# KiCad board PCB0240.kicad_pcb (continued)
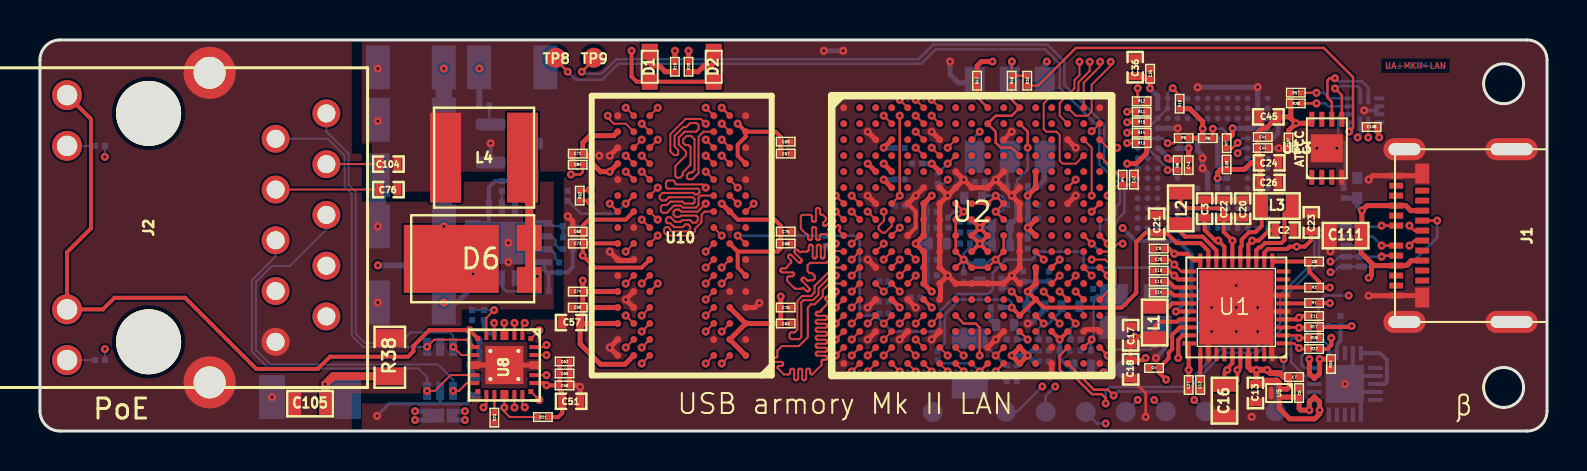
[diagram p0: board, top side]
## Routing (per net, layer and track width the routed paths; a pad name or vN(x,y) marks a point on that pad's centre or on a via; arc(x,y) is an arc through that point) (continued)
/DDR/DRAM_D0: length 28
  TOP w0.1: U2.T4 v1(42.19,3.78) ; v1(33.29,6.58) U10.E3
  SIGNAL_1 w0.1: v1(33.29,6.58) 32.85,6.58 32.18,7.25 31.92,7.25 31.87,7.2 31.87,6.99 32.45,6.41 32.7,6.41 32.9,6.21 33.46,6.21 33.83,6.58 34.5,6.58 35.12,7.21 35.12,8.66 35.68,9.22 35.68,10.15 35.74,10.21 35.89,10.21 36.65,10.97 36.65,11.28 36.72,11.35 38.86,11.35 39.03,11.18 39.03,10.65 39.67,10.02 42.35,10.02 42.75,9.62 43.22,9.62 43.62,10.02 43.77,10.02 44.25,9.54 44.25,9.35 44.63,8.97 44.63,7.54 43.39,6.3 43.39,5.94 43.24,5.79 42.87,5.79 42.59,5.51 U2.T4 v1(42.19,3.78)
/DDR/DRAM_D1: length 28
  TOP w0.1: U10.G2 v1(34.09,8.18) ; v1(44.59,2.98) U2.U6
  SIGNAL_1 w0.1: v1(44.59,2.98) 44.23,3.34 44.23,3.94 44.45,4.16 44.68,4.16 45.17,4.65 45.41,4.65 45.75,4.99 45.75,5.54 45.53,5.76 45.53,6.36 45.95,6.78 45.95,8.01 45.43,8.53 45.43,9.35 45.21,9.57 45.21,9.72 43.95,10.99 42.77,10.99 42.37,11.39 41.26,11.39 41.04,11.61 41.04,11.88 40.77,12.15 35.95,12.15 35.29,11.49 35.29,11.21 35.09,11.01 32.55,11.01 32.39,10.85 32.39,10.41 32.52,10.28 33.29,10.28 33.6,9.97 33.6,9.59 34.09,9.1 v1(34.09,8.18)
/DDR/DRAM_D2: length 28
  TOP w0.1: U10.F8 v1(29.29,7.38) ; v1(43.79,4.58) U2.T6
  SIGNAL_1 w0.1: v1(29.29,7.38) 28.23,7.38 28.07,7.22 28.07,6.56 27.69,6.18 27.69,3.6 28.17,3.12 28.55,3.12 30.23,1.44 32.77,1.44 33.42,0.79 43.7,0.79 44.19,1.28 44.19,3.08 43.87,3.4 43.66,3.4 43.37,3.68 43.37,3.99 43.79,4.41 v1(43.79,4.58)
/DDR/DRAM_D3: length 28
  TOP w0.1: v1(45.39,2.98) U2.U7 ; U10.H3 v1(33.29,8.98)
  SIGNAL_1 w0.1: v1(33.29,8.98) 33.29,9.98 33.19,10.08 32.05,10.08 31.95,10.18 31.95,11.01 32.76,11.82 33.46,11.82 33.92,12.28 34.27,12.28 34.75,11.8 35.02,11.8 35.57,12.35 41.55,12.35 42.03,11.87 42.36,11.87 42.85,11.38 43.84,11.38 45.67,9.55 45.67,8.59 46.34,7.92 46.34,6.86 45.8,6.32 45.8,5.9 45.95,5.75 45.95,4.88 45.43,4.36 45.31,4.36 44.97,4.02 44.97,3.4 v1(45.39,2.98)
/DDR/DRAM_D4: length 28.2
  TOP w0.1: v1(46.19,2.98) U2.U8 ; U10.H8 v1(29.29,8.98)
  SIGNAL_1 w0.1: v1(29.29,8.98) 29.29,8.72 27.87,7.3 27.87,6.65 27.49,6.27 27.49,3.52 28.09,2.92 28.47,2.92 30.15,1.24 32.68,1.24 33.33,0.59 43.8,0.59 v1(46.19,2.98)
/DDR/DRAM_D5: length 27.9
  TOP w0.1: U2.T8 v1(46.19,3.78) ; U10.H7 v1(30.89,9.78)
  SIGNAL_1 w0.1: v1(46.19,3.78) 46.37,3.96 46.37,5.56 46.75,5.94 46.75,9.1 44.99,10.86 44.99,11.98 43.99,12.98 40.66,12.98 40.26,13.38 32,13.38 31.31,12.69 31.31,10.47 30.89,10.05 v1(30.89,9.78)
/DDR/DRAM_D6: length 28
  TOP w0.1: v1(43.79,3.78) U2.T5 ; U10.F2 v1(34.09,7.38)
  SIGNAL_1 w0.1: v1(34.09,7.38) 34.48,7.77 34.48,9.99 34.33,10.14 33.72,10.14 33.38,10.48 32.66,10.48 32.59,10.55 32.59,10.73 32.67,10.81 35.64,10.81 36.05,11.22 36.05,11.81 36.19,11.95 39.11,11.95 39.67,11.39 40.01,11.39 40.19,11.21 40.19,10.86 40.43,10.62 42.59,10.62 42.76,10.79 43.86,10.79 44.87,9.78 44.87,9.64 45.01,9.5 45.01,9.45 45.23,9.23 45.23,8.45 45.75,7.93 45.75,6.86 45.28,6.38 45.28,5.78 44.99,5.5 44.99,5.18 44.8,4.98 44.39,4.98 44.19,4.79 44.19,4.31 44.04,4.16 44.04,4.03 v1(43.79,3.78)
/DDR/DRAM_D7: length 28
  TOP w0.1: v1(42.99,2.98) U2.U4 ; U10.F7 v1(30.09,7.38)
  SIGNAL_1 w0.1: v1(42.99,2.98) 42.99,1.92 42.07,0.99 33.5,0.99 32.85,1.64 30.31,1.64 28.56,3.4 28.54,3.41 28.53,3.43 28.53,3.46 28.53,3.48 28.53,3.5 28.54,3.52 28.56,3.54 28.58,3.56 28.6,3.58 28.61,3.6 28.61,3.62 28.61,3.65 28.61,3.67 28.6,3.69 28.58,3.71 28.57,3.72 28.55,3.73 28.53,3.73 28.5,3.73 28.48,3.73 28.46,3.72 28.44,3.71 28.25,3.51 28.23,3.5 28.21,3.49 28.19,3.48 28.17,3.48 28.14,3.49 28.12,3.5 28.11,3.51 28.09,3.53 28.08,3.55 28.08,3.57 28.08,3.59 28.08,3.61 28.09,3.63 28.11,3.65 28.13,3.68 28.15,3.7 28.16,3.72 28.16,3.74 28.16,3.76 28.16,3.78 28.15,3.8 28.13,3.82 28.13,4.23 28.13,4.25 28.12,4.27 28.11,4.29 28.1,4.31 28.08,4.32 28.06,4.33 28.03,4.33 28,4.33 27.97,4.33 27.95,4.34 27.93,4.35 27.92,4.37 27.91,4.39 27.9,4.41 27.9,4.43 27.9,4.45 27.91,4.47 27.92,4.49 27.93,4.51 27.95,4.52 27.97,4.53 28,4.53 28.27,4.53 28.29,4.53 28.31,4.54 28.33,4.55 28.35,4.57 28.36,4.59 28.37,4.61 28.37,4.63 28.37,4.65 28.36,4.67 28.35,4.69 28.33,4.71 28.31,4.72 28.29,4.73 28.27,4.73 28,4.73 27.97,4.73 27.95,4.74 27.93,4.75 27.92,4.77 27.91,4.79 27.9,4.81 27.9,4.83 27.9,4.85 27.91,4.87 27.92,4.89 27.93,4.91 27.95,4.92 27.97,4.93 28,4.93 28.27,4.93 28.29,4.93 28.31,4.94 28.33,4.95 28.35,4.97 28.36,4.99 28.37,5.01 28.37,5.03 28.37,5.05 28.36,5.07 28.35,5.09 28.33,5.11 28.31,5.12 28.29,5.13 28.27,5.13 28,5.13 27.97,5.13 27.95,5.14 27.93,5.15 27.92,5.17 27.91,5.19 27.9,5.21 27.9,5.23 27.9,5.25 27.91,5.27 27.92,5.29 27.93,5.31 27.95,5.32 27.97,5.33 28,5.33 28.27,5.33 28.29,5.33 28.31,5.34 28.33,5.35 28.35,5.37 28.36,5.39 28.37,5.41 28.37,5.43 28.37,5.45 28.36,5.47 28.35,5.49 28.33,5.51 28.31,5.52 28.29,5.53 28.27,5.53 28,5.53 27.97,5.53 27.95,5.54 27.93,5.55 27.92,5.57 27.91,5.59 27.9,5.61 27.9,5.63 27.9,5.65 27.91,5.67 27.92,5.69 27.93,5.71 27.95,5.72 27.97,5.73 28,5.73 28.03,5.73 28.06,5.73 28.08,5.74 28.1,5.75 28.11,5.77 28.12,5.79 28.13,5.81 28.13,5.83 28.13,5.93 28.29,6.09 28.31,6.11 28.32,6.13 28.32,6.15 28.32,6.17 28.32,6.2 28.31,6.22 28.29,6.23 28.27,6.26 28.25,6.28 28.24,6.3 28.24,6.32 28.24,6.34 28.24,6.36 28.25,6.38 28.27,6.4 28.29,6.42 28.31,6.42 28.33,6.43 28.35,6.43 28.37,6.42 28.39,6.42 28.41,6.4 28.6,6.21 28.62,6.19 28.64,6.18 28.66,6.18 28.69,6.18 28.71,6.18 28.73,6.19 28.75,6.21 28.76,6.22 28.77,6.24 28.77,6.27 28.77,6.29 28.77,6.31 28.76,6.33 28.75,6.35 28.55,6.54 28.54,6.56 28.53,6.58 28.52,6.6 28.52,6.62 28.53,6.65 28.54,6.67 28.55,6.68 28.57,6.7 28.59,6.71 28.61,6.71 28.63,6.71 28.65,6.71 28.67,6.7 28.69,6.68 28.72,6.66 28.74,6.64 28.76,6.63 28.78,6.63 28.8,6.63 28.82,6.63 28.84,6.64 28.86,6.66 28.87,6.67 28.88,6.69 28.89,6.72 28.89,6.74 28.88,6.76 28.87,6.78 28.86,6.8 28.83,6.83 28.82,6.84 28.81,6.86 28.81,6.89 28.81,6.91 28.81,6.93 28.82,6.95 28.83,6.97 28.85,6.98 28.87,6.99 28.89,7 28.92,7 28.94,6.99 28.96,6.98 28.98,6.97 29,6.94 29.02,6.93 29.04,6.92 29.06,6.91 29.08,6.91 29.11,6.92 29.13,6.93 29.14,6.94 29.65,6.94 v1(30.09,7.38)
/DDR/DRAM_D8: length 28
  TOP w0.1: U10.D7 v1(30.09,5.78) ; v1(40.59,2.98) U2.U2
  SIGNAL_1 w0.1: v1(40.59,2.98) 39.75,2.98 39.03,3.7 39.03,4.12 38.76,4.39 38.34,4.39 38.06,4.11 36.25,4.11 36.12,3.98 33.02,3.98 32.78,3.74 29.95,3.74 29.68,4.01 29.68,4.4 29.36,4.72 29.35,4.74 29.34,4.76 29.33,4.78 29.33,4.8 29.34,4.83 29.35,4.85 29.36,4.86 29.39,4.89 29.4,4.91 29.41,4.93 29.42,4.95 29.42,4.97 29.41,5 29.4,5.02 29.39,5.03 29.37,5.05 29.35,5.06 29.33,5.06 29.31,5.06 29.28,5.06 29.26,5.05 29.25,5.03 29.05,4.84 29.03,4.82 29.01,4.81 28.99,4.81 28.97,4.81 28.95,4.81 28.93,4.82 28.91,4.84 28.9,4.85 28.89,4.87 28.88,4.9 28.88,4.92 28.89,4.94 28.9,4.96 28.91,4.98 29.1,5.17 29.12,5.19 29.13,5.21 29.13,5.23 29.13,5.26 29.13,5.28 29.12,5.3 29.1,5.32 29.09,5.33 29.07,5.34 29.05,5.34 29.02,5.34 29,5.34 28.98,5.33 28.96,5.32 28.77,5.12 28.75,5.11 28.73,5.1 28.71,5.09 28.69,5.09 28.66,5.1 28.64,5.11 28.63,5.12 28.61,5.14 28.6,5.16 28.6,5.18 28.6,5.2 28.6,5.22 28.61,5.24 28.63,5.26 28.65,5.29 28.67,5.31 28.68,5.33 28.68,5.35 28.68,5.37 28.68,5.39 28.67,5.41 28.65,5.43 28.65,5.74 29.09,6.18 29.4,6.18 29.49,6.27 29.51,6.28 29.53,6.29 29.55,6.3 29.58,6.3 29.6,6.29 29.62,6.28 29.63,6.27 29.66,6.24 29.68,6.23 29.7,6.22 29.72,6.21 29.74,6.21 29.77,6.22 29.79,6.23 29.8,6.24 29.82,6.26 29.83,6.28 29.83,6.3 29.83,6.32 29.83,6.35 29.82,6.37 29.8,6.38 29.67,6.52 29.66,6.53 29.66,6.54 29.66,6.55 29.66,6.56 29.66,6.57 29.66,6.58 29.67,6.59 29.74,6.66 29.75,6.67 29.76,6.67 29.77,6.67 29.78,6.67 29.79,6.67 29.8,6.67 29.82,6.65 29.83,6.65 29.84,6.64 29.85,6.64 29.86,6.65 29.87,6.65 29.88,6.66 30.02,6.8 30.17,6.8 30.2,6.8 30.22,6.79 30.24,6.78 30.25,6.76 30.26,6.74 30.27,6.72 30.27,6.7 30.27,6.66 30.28,6.64 30.28,6.62 30.3,6.6 30.31,6.58 30.33,6.57 30.35,6.56 30.37,6.56 30.4,6.56 30.42,6.57 30.44,6.58 30.45,6.6 30.46,6.62 30.47,6.64 30.47,6.66 30.47,6.94 30.48,6.96 30.48,6.98 30.5,7 30.51,7.02 30.53,7.03 30.55,7.04 30.57,7.04 30.6,7.04 30.62,7.03 30.64,7.02 30.65,7 30.66,6.98 30.67,6.96 30.67,6.94 30.67,6.66 30.68,6.64 30.68,6.62 30.7,6.6 30.71,6.58 30.73,6.57 30.75,6.56 30.77,6.56 30.8,6.56 30.82,6.57 30.84,6.58 30.85,6.6 30.86,6.62 30.87,6.64 30.87,6.66 30.87,6.8 30.88,6.8 30.88,6.89 30.88,6.92 30.89,6.94 30.9,6.95 30.91,6.97 30.93,6.98 30.95,6.99 30.97,6.99 30.99,6.99 31.01,6.99 31.03,6.98 31.04,6.97 31.06,6.95 31.07,6.94 31.08,6.92 31.08,6.87 31.09,6.85 31.1,6.84 31.11,6.82 31.13,6.81 31.15,6.8 31.17,6.8 31.37,6.8 31.47,6.71 31.49,6.69 31.51,6.68 31.53,6.68 31.55,6.68 31.57,6.68 31.59,6.69 31.61,6.71 31.64,6.73 31.65,6.75 31.67,6.76 31.7,6.76 31.72,6.76 31.74,6.76 31.76,6.75 31.78,6.73 31.79,6.72 31.8,6.7 31.81,6.67 31.81,6.65 31.8,6.63 31.79,6.61 31.78,6.59 31.58,6.4 31.57,6.38 31.56,6.36 31.55,6.34 31.55,6.31 31.56,6.29 31.57,6.27 31.58,6.25 31.6,6.24 31.62,6.23 31.64,6.23 31.66,6.23 31.69,6.23 31.71,6.24 31.72,6.25 31.92,6.45 31.94,6.46 31.96,6.47 31.98,6.48 32,6.48 32.02,6.47 32.04,6.46 32.06,6.45 32.07,6.43 32.08,6.41 32.09,6.39 32.09,6.37 32.08,6.35 32.07,6.33 32.06,6.31 32.03,6.28 32.02,6.26 32.01,6.24 32,6.22 32,6.2 32.01,6.18 32.02,6.16 32.03,6.14 32.25,6.14 32.39,6 32.39,5.72 32.25,5.58 31.91,5.58 31.42,6.07 31.32,6.07 31.3,6.07 31.28,6.08 31.26,6.09 31.25,6.11 31.23,6.13 31.23,6.15 31.22,6.17 31.22,6.21 31.22,6.23 31.21,6.25 31.2,6.27 31.19,6.29 31.17,6.3 31.15,6.31 31.12,6.31 31.1,6.31 31.08,6.3 31.06,6.29 31.05,6.27 31.03,6.25 31.03,6.23 31.02,6.21 31.02,5.93 31.02,5.91 31.01,5.89 31,5.87 30.99,5.85 30.97,5.84 30.95,5.83 30.92,5.83 30.9,5.83 30.88,5.84 30.86,5.85 30.85,5.87 30.83,5.89 30.83,5.91 30.82,5.93 30.82,5.97 30.82,5.99 30.81,6.01 30.8,6.03 30.79,6.05 30.77,6.06 30.75,6.07 30.72,6.07 30.38,6.07 v1(30.09,5.78)
/DDR/DRAM_D9: length 27.9
  TOP w0.1: U10.A7 v1(30.09,3.38) ; v1(41.39,2.98) U2.U3
  SIGNAL_1 w0.1: v1(41.39,2.98) 41.21,3.16 41.1,3.16 40.95,3.01 40.95,2.84 40.73,2.62 39.43,2.62 39.05,3 39.03,3.02 39.01,3.03 38.99,3.03 38.97,3.03 38.95,3.03 38.93,3.02 38.91,3 38.84,2.94 38.82,2.92 38.8,2.91 38.78,2.91 38.76,2.91 38.74,2.91 38.72,2.92 38.7,2.94 38.68,2.95 38.67,2.97 38.67,3 38.67,3.02 38.67,3.04 38.68,3.06 38.7,3.08 38.94,3.32 38.95,3.34 38.96,3.36 38.97,3.38 38.97,3.4 38.96,3.42 38.95,3.44 38.94,3.46 38.92,3.48 38.9,3.49 38.88,3.49 38.86,3.49 38.84,3.49 38.82,3.48 38.8,3.46 38.56,3.22 38.54,3.2 38.52,3.2 38.5,3.19 38.47,3.19 38.45,3.2 38.43,3.2 38.42,3.22 38.4,3.24 38.39,3.26 38.39,3.28 38.39,3.3 38.39,3.32 38.4,3.34 38.42,3.36 38.48,3.43 38.5,3.45 38.51,3.47 38.51,3.49 38.51,3.51 38.51,3.53 38.5,3.55 38.48,3.57 38.28,3.57 38.26,3.57 38.24,3.56 38.22,3.55 38.21,3.53 38.19,3.51 38.19,3.49 38.18,3.47 38.18,3.37 38.18,3.35 38.17,3.33 38.16,3.31 38.15,3.3 38.13,3.28 38.11,3.28 38.08,3.27 38.06,3.28 38.04,3.28 38.02,3.3 38.01,3.31 37.99,3.33 37.99,3.35 37.98,3.37 37.98,3.77 37.98,3.79 37.97,3.81 37.96,3.83 37.95,3.84 37.93,3.86 37.91,3.86 37.88,3.87 37.86,3.86 37.84,3.86 37.82,3.84 37.81,3.83 37.79,3.81 37.79,3.79 37.78,3.77 37.78,3.37 37.78,3.35 37.77,3.33 37.76,3.31 37.75,3.3 37.73,3.28 37.71,3.28 37.68,3.27 37.66,3.28 37.64,3.28 37.62,3.3 37.61,3.31 37.59,3.33 37.59,3.35 37.58,3.37 37.58,3.47 37.58,3.49 37.57,3.51 37.56,3.53 37.55,3.55 37.53,3.56 37.51,3.57 37.48,3.57 37.36,3.45 37.17,3.45 37.15,3.45 37.13,3.46 37.11,3.47 37.1,3.49 37.08,3.51 37.08,3.53 37.07,3.55 37.07,3.65 37.07,3.67 37.06,3.69 37.05,3.71 37.04,3.72 37.02,3.74 37,3.74 36.97,3.75 36.95,3.74 36.93,3.74 36.91,3.72 36.9,3.71 36.88,3.69 36.88,3.67 36.87,3.65 36.87,3.25 36.87,3.23 36.86,3.21 36.85,3.19 36.84,3.18 36.82,3.16 36.8,3.16 36.77,3.15 36.75,3.16 36.73,3.16 36.71,3.18 36.7,3.19 36.68,3.21 36.68,3.23 36.67,3.25 36.67,3.65 36.67,3.67 36.66,3.69 36.65,3.71 36.64,3.72 36.62,3.74 36.6,3.74 36.57,3.75 36.55,3.74 36.53,3.74 36.51,3.72 36.5,3.71 36.48,3.69 36.48,3.67 36.47,3.65 36.47,3.25 36.47,3.23 36.46,3.21 36.45,3.19 36.44,3.18 36.42,3.16 36.4,3.16 36.37,3.15 36.35,3.16 36.33,3.16 36.31,3.18 36.3,3.19 36.28,3.21 36.28,3.23 36.27,3.25 36.27,3.65 36.27,3.67 36.26,3.69 36.25,3.71 36.24,3.72 36.22,3.74 36.2,3.74 36.17,3.75 36.15,3.74 36.13,3.74 36.11,3.72 36.1,3.71 36.08,3.69 36.08,3.67 36.07,3.65 36.07,3.25 36.07,3.23 36.06,3.21 36.05,3.19 36.04,3.18 36.02,3.16 36,3.16 35.97,3.15 35.95,3.16 35.93,3.16 35.91,3.18 35.9,3.19 35.88,3.21 35.88,3.23 35.87,3.25 35.87,3.65 35.87,3.67 35.86,3.69 35.85,3.71 35.84,3.72 35.82,3.74 35.8,3.74 35.77,3.75 35.75,3.74 35.73,3.74 35.71,3.72 35.7,3.71 35.68,3.69 35.68,3.67 35.67,3.65 35.67,3.25 35.67,3.23 35.66,3.21 35.65,3.19 35.64,3.18 35.62,3.16 35.6,3.16 35.57,3.15 35.55,3.16 35.53,3.16 35.51,3.18 35.5,3.19 35.48,3.21 35.48,3.23 35.47,3.25 35.47,3.65 35.47,3.67 35.46,3.69 35.45,3.71 35.44,3.72 35.42,3.74 35.4,3.74 35.37,3.75 35.35,3.74 35.33,3.74 35.31,3.72 35.3,3.71 35.28,3.69 35.28,3.67 35.27,3.65 35.27,3.25 35.27,3.23 35.26,3.21 35.25,3.19 35.24,3.18 35.22,3.16 35.2,3.16 35.17,3.15 35.15,3.16 35.13,3.16 35.11,3.18 35.1,3.19 35.08,3.21 35.08,3.23 35.07,3.25 35.07,3.65 35.07,3.67 35.06,3.69 35.05,3.71 35.04,3.72 35.02,3.74 35,3.74 34.97,3.75 34.95,3.74 34.93,3.74 34.91,3.72 34.9,3.71 34.88,3.69 34.88,3.67 34.87,3.65 34.87,3.25 34.87,3.23 34.86,3.21 34.85,3.19 34.84,3.18 34.82,3.16 34.8,3.16 34.77,3.15 34.75,3.16 34.73,3.16 34.71,3.18 34.7,3.19 34.68,3.21 34.68,3.23 34.67,3.25 34.67,3.34 34.27,3.74 33.88,3.74 33.86,3.74 33.84,3.73 33.82,3.72 33.8,3.7 33.79,3.68 33.78,3.66 33.78,3.62 33.77,3.6 33.76,3.58 33.74,3.56 33.73,3.55 33.71,3.55 33.68,3.54 33.66,3.55 33.64,3.55 33.62,3.56 33.6,3.58 33.59,3.6 33.58,3.62 33.58,3.66 33.57,3.68 33.56,3.7 33.54,3.72 33.53,3.73 33.51,3.74 33.48,3.74 33.14,3.74 32.93,3.53 32.93,3.23 32.83,3.13 32.62,3.13 32.6,3.13 32.58,3.14 32.56,3.15 32.55,3.17 32.53,3.19 32.53,3.21 32.52,3.23 32.52,3.33 32.52,3.35 32.51,3.37 32.5,3.39 32.49,3.4 32.47,3.42 32.45,3.42 32.42,3.43 32.4,3.42 32.38,3.42 32.36,3.4 32.35,3.39 32.33,3.37 32.33,3.35 32.32,3.33 32.32,2.93 32.32,2.91 32.31,2.89 32.3,2.87 32.29,2.86 32.27,2.84 32.25,2.84 32.22,2.83 32.2,2.84 32.18,2.84 32.16,2.86 32.15,2.87 32.13,2.89 32.13,2.91 32.12,2.93 32.12,3.33 32.12,3.35 32.11,3.37 32.1,3.39 32.09,3.4 32.07,3.42 32.05,3.42 32.02,3.43 32,3.42 31.98,3.42 31.96,3.4 31.95,3.39 31.93,3.37 31.93,3.35 31.92,3.33 31.92,2.93 31.92,2.91 31.91,2.89 31.9,2.87 31.89,2.86 31.87,2.84 31.85,2.84 31.82,2.83 31.8,2.84 31.78,2.84 31.76,2.86 31.75,2.87 31.73,2.89 31.73,2.91 31.72,2.93 31.72,3.33 31.72,3.35 31.71,3.37 31.7,3.39 31.69,3.4 31.67,3.42 31.65,3.42 31.62,3.43 31.6,3.42 31.58,3.42 31.56,3.4 31.55,3.39 31.53,3.37 31.53,3.35 31.52,3.33 31.52,2.93 31.52,2.91 31.51,2.89 31.5,2.87 31.49,2.86 31.47,2.84 31.45,2.84 31.42,2.83 31.4,2.84 31.38,2.84 31.36,2.86 31.35,2.87 31.33,2.89 31.33,2.91 31.32,2.93 31.32,3.33 31.32,3.35 31.31,3.37 31.3,3.39 31.29,3.4 31.27,3.42 31.25,3.42 31.22,3.43 31.2,3.42 31.18,3.42 31.16,3.4 31.15,3.39 31.13,3.37 31.13,3.35 31.12,3.33 31.12,2.93 31.12,2.91 31.11,2.89 31.1,2.87 31.09,2.86 31.07,2.84 31.05,2.84 31.02,2.83 31,2.84 30.98,2.84 30.96,2.86 30.95,2.87 30.93,2.89 30.93,2.91 30.92,2.93 30.92,3.33 30.92,3.35 30.91,3.37 30.9,3.39 30.89,3.4 30.87,3.42 30.85,3.42 30.82,3.43 30.8,3.42 30.78,3.42 30.76,3.4 30.75,3.39 30.73,3.37 30.73,3.35 30.72,3.33 30.72,2.93 30.72,2.91 30.71,2.89 30.7,2.87 30.69,2.86 30.67,2.84 30.65,2.84 30.62,2.83 30.6,2.84 30.58,2.84 30.56,2.86 30.55,2.87 30.53,2.89 30.53,2.91 30.52,2.93 30.52,3.03 30.52,3.05 30.51,3.07 30.5,3.09 30.49,3.11 30.47,3.12 30.45,3.13 30.42,3.13 30.34,3.13 v1(30.09,3.38)
/DDR/DRAM_D10: length 27.9
  TOP w0.1: U10.B8 v1(29.29,4.18) ; U2.U5 v1(43.79,2.98)
  SIGNAL_1 w0.1: v1(29.29,4.18) 29.29,3.53 29.31,3.51 29.32,3.49 29.32,3.47 29.32,3.45 29.32,3.43 29.31,3.41 29.29,3.39 29.15,3.25 29.14,3.23 29.13,3.21 29.12,3.19 29.12,3.17 29.13,3.14 29.14,3.12 29.15,3.11 29.17,3.09 29.19,3.08 29.21,3.08 29.23,3.08 29.26,3.08 29.28,3.09 29.29,3.11 29.56,3.37 29.57,3.38 29.59,3.39 29.6,3.39 29.62,3.39 29.64,3.39 29.65,3.38 29.66,3.37 29.7,3.34 29.71,3.32 29.72,3.31 29.72,3.29 29.72,3.27 29.72,3.26 29.71,3.24 29.7,3.23 29.43,2.96 29.42,2.95 29.41,2.93 29.41,2.9 29.41,2.88 29.41,2.86 29.42,2.84 29.43,2.82 29.45,2.81 29.47,2.8 29.49,2.79 29.52,2.79 29.54,2.8 29.56,2.81 29.58,2.82 29.82,3.07 29.83,3.08 29.84,3.08 29.85,3.08 29.86,3.08 29.88,3.08 29.89,3.08 29.89,3.07 29.97,3 29.97,2.99 29.98,2.98 29.98,2.97 29.98,2.96 29.98,2.95 29.97,2.94 29.97,2.93 29.72,2.68 29.7,2.66 29.69,2.64 29.69,2.62 29.69,2.6 29.69,2.58 29.7,2.56 29.72,2.54 29.74,2.53 29.76,2.52 29.78,2.51 29.8,2.51 29.82,2.52 29.84,2.53 29.86,2.54 30.18,2.86 30.19,2.87 30.22,2.88 30.24,2.89 30.26,2.89 30.28,2.88 30.3,2.87 30.32,2.86 30.33,2.84 30.34,2.82 30.35,2.8 30.35,2.78 30.34,2.75 30.33,2.73 30.32,2.72 30.28,2.68 30.27,2.66 30.26,2.64 30.25,2.62 30.25,2.6 30.26,2.58 30.27,2.56 30.28,2.54 30.45,2.37 30.48,2.37 30.5,2.36 30.52,2.35 30.53,2.33 30.54,2.31 30.55,2.29 30.55,2.27 30.55,2.07 30.56,2.05 30.56,2.03 30.58,2.01 30.59,1.99 30.61,1.98 30.63,1.97 30.65,1.97 30.68,1.97 30.7,1.98 30.72,1.99 30.73,2.01 30.74,2.03 30.75,2.05 30.75,2.07 30.75,2.57 30.76,2.59 30.76,2.61 30.78,2.63 30.79,2.65 30.81,2.66 30.83,2.67 30.85,2.67 30.88,2.67 30.9,2.66 30.92,2.65 30.93,2.63 30.94,2.61 30.95,2.59 30.95,2.57 30.95,2.07 30.96,2.05 30.96,2.03 30.98,2.01 30.99,1.99 31.01,1.98 31.03,1.97 31.05,1.97 31.08,1.97 31.1,1.98 31.12,1.99 31.13,2.01 31.14,2.03 31.15,2.05 31.15,2.07 31.15,2.57 31.16,2.59 31.16,2.61 31.18,2.63 31.19,2.65 31.21,2.66 31.23,2.67 31.25,2.67 31.28,2.67 31.3,2.66 31.32,2.65 31.33,2.63 31.34,2.61 31.35,2.59 31.35,2.57 31.35,2.07 31.36,2.05 31.36,2.03 31.38,2.01 31.39,1.99 31.41,1.98 31.43,1.97 31.45,1.97 31.48,1.97 31.5,1.98 31.52,1.99 31.53,2.01 31.54,2.03 31.55,2.05 31.55,2.07 31.55,2.57 31.56,2.59 31.56,2.61 31.58,2.63 31.59,2.65 31.61,2.66 31.63,2.67 31.65,2.67 31.68,2.67 31.7,2.66 31.72,2.65 31.73,2.63 31.74,2.61 31.75,2.59 31.75,2.57 31.75,2.07 31.76,2.05 31.76,2.03 31.78,2.01 31.79,1.99 31.81,1.98 31.83,1.97 31.85,1.97 31.88,1.97 31.9,1.98 31.92,1.99 31.93,2.01 31.94,2.03 31.95,2.05 31.95,2.07 31.95,2.57 31.96,2.59 31.96,2.61 31.98,2.63 31.99,2.65 32.01,2.66 32.03,2.67 32.05,2.67 32.08,2.67 32.1,2.66 32.12,2.65 32.13,2.63 32.14,2.61 32.15,2.59 32.15,2.57 32.15,2.47 32.16,2.45 32.16,2.43 32.18,2.41 32.19,2.39 32.21,2.38 32.23,2.37 32.25,2.37 32.4,2.37 32.47,2.3 32.49,2.28 32.5,2.26 32.5,2.24 32.5,2.22 32.5,2.2 32.49,2.18 32.47,2.16 32.33,2.02 32.32,2 32.31,1.98 32.3,1.96 32.3,1.93 32.31,1.91 32.32,1.89 32.33,1.88 32.35,1.86 32.37,1.85 32.39,1.85 32.41,1.85 32.44,1.85 32.46,1.86 32.47,1.88 32.83,2.23 32.85,2.24 32.87,2.25 32.89,2.26 32.91,2.26 32.93,2.25 32.95,2.24 32.97,2.23 32.98,2.21 32.99,2.19 33,2.17 33,2.15 32.99,2.12 32.98,2.1 32.97,2.09 32.9,2.02 32.88,2 32.87,1.98 32.87,1.96 32.87,1.93 32.87,1.91 32.88,1.89 32.9,1.88 33.58,1.19 41.98,1.19 42.63,1.84 42.63,3.12 42.85,3.34 43.43,3.34 v1(43.79,2.98)
/DDR/DRAM_D11: length 28
  TOP w0.1: v1(34.09,3.38) U10.A2 ; U2.R4 v1(42.19,4.58)
  SIGNAL_1 w0.1: v1(34.09,3.38) 33.9,3.38 33.67,3.15 33.67,2.85 33.88,2.64 33.91,2.64 33.93,2.63 33.95,2.62 33.96,2.6 33.97,2.58 33.98,2.56 33.98,2.54 33.98,2.39 33.99,2.37 33.99,2.35 34.01,2.33 34.02,2.31 34.04,2.3 34.06,2.29 34.08,2.29 34.11,2.29 34.13,2.3 34.15,2.31 34.16,2.33 34.17,2.35 34.18,2.37 34.18,2.39 34.18,2.94 34.19,2.96 34.19,2.98 34.21,3 34.22,3.02 34.24,3.03 34.26,3.04 34.28,3.04 34.31,3.04 34.33,3.03 34.35,3.02 34.36,3 34.37,2.98 34.38,2.96 34.38,2.94 34.38,2.39 34.39,2.37 34.39,2.35 34.41,2.33 34.42,2.31 34.44,2.3 34.46,2.29 34.48,2.29 34.51,2.29 34.53,2.3 34.55,2.31 34.56,2.33 34.57,2.35 34.58,2.37 34.58,2.39 34.58,2.84 34.59,2.86 34.59,2.88 34.61,2.9 34.62,2.92 34.64,2.93 34.66,2.94 34.68,2.94 34.71,2.94 34.73,2.93 34.75,2.92 34.76,2.9 34.77,2.88 34.78,2.86 34.78,2.84 34.78,2.39 34.79,2.37 34.79,2.35 34.81,2.33 34.82,2.31 34.84,2.3 34.86,2.29 34.88,2.29 34.91,2.29 34.93,2.3 34.95,2.31 34.96,2.33 34.97,2.35 34.98,2.37 34.98,2.39 34.98,2.84 34.99,2.86 34.99,2.88 35.01,2.9 35.02,2.92 35.04,2.93 35.06,2.94 35.08,2.94 35.11,2.94 35.13,2.93 35.15,2.92 35.16,2.9 35.17,2.88 35.18,2.86 35.18,2.84 35.18,2.39 35.19,2.37 35.19,2.35 35.21,2.33 35.22,2.31 35.24,2.3 35.26,2.29 35.28,2.29 35.31,2.29 35.33,2.3 35.35,2.31 35.36,2.33 35.37,2.35 35.38,2.37 35.38,2.39 35.38,2.84 35.39,2.86 35.39,2.88 35.41,2.9 35.42,2.92 35.44,2.93 35.46,2.94 35.48,2.94 35.51,2.94 35.53,2.93 35.55,2.92 35.56,2.9 35.57,2.88 35.58,2.86 35.58,2.84 35.58,2.39 35.59,2.37 35.59,2.35 35.61,2.33 35.62,2.31 35.64,2.3 35.66,2.29 35.68,2.29 35.71,2.29 35.73,2.3 35.75,2.31 35.76,2.33 35.77,2.35 35.78,2.37 35.78,2.39 35.78,2.84 35.79,2.86 35.79,2.88 35.81,2.9 35.82,2.92 35.84,2.93 35.86,2.94 35.88,2.94 35.91,2.94 35.93,2.93 35.95,2.92 35.96,2.9 35.97,2.88 35.98,2.86 35.98,2.84 35.98,2.39 35.99,2.37 35.99,2.35 36.01,2.33 36.02,2.31 36.04,2.3 36.06,2.29 36.08,2.29 36.11,2.29 36.13,2.3 36.15,2.31 36.16,2.33 36.17,2.35 36.18,2.37 36.18,2.39 36.18,2.84 36.19,2.86 36.19,2.88 36.21,2.9 36.22,2.92 36.24,2.93 36.26,2.94 36.28,2.94 36.31,2.94 36.33,2.93 36.35,2.92 36.36,2.9 36.37,2.88 36.38,2.86 36.38,2.84 36.38,2.39 36.39,2.37 36.39,2.35 36.41,2.33 36.42,2.31 36.44,2.3 36.46,2.29 36.48,2.29 36.51,2.29 36.53,2.3 36.55,2.31 36.56,2.33 36.57,2.35 36.58,2.37 36.58,2.39 36.58,2.84 36.59,2.86 36.59,2.88 36.61,2.9 36.62,2.92 36.64,2.93 36.66,2.94 36.68,2.94 36.71,2.94 36.73,2.93 36.75,2.92 36.76,2.9 36.77,2.88 36.78,2.86 36.78,2.84 36.78,2.39 36.79,2.37 36.79,2.35 36.81,2.33 36.82,2.31 36.84,2.3 36.86,2.29 36.88,2.29 36.91,2.29 36.93,2.3 36.95,2.31 36.96,2.33 36.97,2.35 36.98,2.37 36.98,2.39 36.98,2.94 36.99,2.96 36.99,2.98 37.01,3 37.02,3.02 37.04,3.03 37.06,3.04 37.08,3.04 37.11,3.04 37.13,3.03 37.15,3.02 37.16,3 37.17,2.98 37.18,2.96 37.18,2.94 37.18,2.39 37.19,2.37 37.19,2.35 37.21,2.33 37.22,2.31 37.24,2.3 37.26,2.29 37.28,2.29 37.31,2.29 37.33,2.3 37.35,2.31 37.36,2.33 37.37,2.35 37.38,2.37 37.38,2.39 37.38,2.94 37.39,2.96 37.39,2.98 37.41,3 37.42,3.02 37.44,3.03 37.46,3.04 37.48,3.04 37.51,3.04 37.53,3.03 37.55,3.02 37.56,3 37.57,2.98 37.58,2.96 37.58,2.94 37.58,2.39 37.59,2.37 37.59,2.35 37.61,2.33 37.62,2.31 37.64,2.3 37.66,2.29 37.68,2.29 37.71,2.29 37.73,2.3 37.75,2.31 37.76,2.33 37.77,2.35 37.78,2.37 37.78,2.39 37.78,2.94 37.79,2.96 37.79,2.98 37.81,3 37.82,3.02 37.84,3.03 37.86,3.04 37.88,3.04 37.91,3.04 37.93,3.03 37.95,3.02 37.96,3 37.97,2.98 37.98,2.96 37.98,2.94 37.98,2.39 37.99,2.37 37.99,2.35 38.01,2.33 38.02,2.31 38.04,2.3 38.06,2.29 38.08,2.29 38.11,2.29 38.13,2.3 38.15,2.31 38.16,2.33 38.17,2.35 38.18,2.37 38.18,2.39 38.18,2.54 38.19,2.56 38.19,2.58 38.21,2.6 38.22,2.62 38.24,2.63 38.26,2.64 38.28,2.64 38.45,2.64 38.62,2.47 39.01,2.47 39.27,2.21 39.3,2.21 39.32,2.2 39.34,2.19 39.35,2.17 39.36,2.15 39.37,2.13 39.38,2.09 39.38,2.07 39.4,2.05 39.41,2.03 39.43,2.02 39.45,2.01 39.47,2.01 39.5,2.01 39.52,2.02 39.54,2.03 39.55,2.05 39.56,2.07 39.57,2.09 39.57,2.11 39.57,2.21 39.57,2.31 39.58,2.33 39.58,2.35 39.6,2.37 39.61,2.39 39.63,2.4 39.65,2.41 39.67,2.41 39.7,2.41 39.72,2.4 39.74,2.39 39.75,2.37 39.76,2.35 39.77,2.33 39.77,2.31 39.77,2.11 39.78,2.09 39.78,2.07 39.8,2.05 39.81,2.03 39.83,2.02 39.85,2.01 39.87,2.01 39.9,2.01 39.92,2.02 39.94,2.03 39.95,2.05 39.96,2.07 39.97,2.09 39.97,2.11 39.97,2.31 39.98,2.33 39.98,2.35 40,2.37 40.01,2.39 40.03,2.4 40.05,2.41 40.07,2.41 40.1,2.41 40.12,2.4 40.14,2.39 40.15,2.37 40.16,2.35 40.17,2.33 40.17,2.31 40.17,2.11 40.18,2.09 40.18,2.07 40.2,2.05 40.21,2.03 40.23,2.02 40.25,2.01 40.27,2.01 40.3,2.01 40.32,2.02 40.34,2.03 40.35,2.05 40.36,2.07 40.37,2.09 40.37,2.11 40.37,2.31 40.38,2.33 40.38,2.35 40.4,2.37 40.41,2.39 40.43,2.4 40.45,2.41 40.47,2.41 40.5,2.41 40.52,2.4 40.54,2.39 40.55,2.37 40.56,2.35 40.57,2.33 40.57,2.31 40.57,2.11 40.58,2.09 40.58,2.07 40.6,2.05 40.61,2.03 40.63,2.02 40.65,2.01 40.67,2.01 40.7,2.01 40.72,2.02 40.74,2.03 40.75,2.05 40.76,2.07 40.77,2.09 40.77,2.11 40.77,2.31 40.78,2.33 40.78,2.35 40.8,2.37 40.81,2.39 40.83,2.4 40.85,2.41 40.87,2.41 40.9,2.41 40.92,2.4 40.94,2.39 40.95,2.37 40.96,2.35 40.97,2.33 40.98,2.29 40.98,2.27 41,2.25 41.01,2.23 41.03,2.22 41.05,2.21 41.07,2.21 41.25,2.21 41.29,2.25 41.3,2.26 41.32,2.26 41.33,2.27 41.35,2.27 41.37,2.26 41.38,2.26 41.41,2.23 41.42,2.23 41.44,2.22 41.46,2.22 41.47,2.23 41.49,2.23 41.5,2.25 41.54,2.28 41.55,2.29 41.55,2.31 41.56,2.33 41.56,2.34 41.55,2.36 41.55,2.37 41.54,2.39 41.45,2.48 41.44,2.48 41.44,2.49 41.43,2.5 41.43,2.52 41.44,2.53 41.44,2.54 41.45,2.55 41.52,2.62 41.53,2.62 41.54,2.63 41.55,2.63 41.56,2.63 41.57,2.63 41.58,2.62 41.6,2.61 41.61,2.6 41.62,2.6 41.63,2.6 41.64,2.6 41.65,2.61 41.66,2.62 41.72,2.68 41.72,2.81 41.93,3.02 41.93,3.35 41.8,3.48 41.8,4.07 42.19,4.46 v1(42.19,4.58)
/DDR/DRAM_D12: length 28
  TOP w0.1: v1(33.29,3.38) U10.A3 ; U2.P5 v1(42.99,5.38)
  SIGNAL_1 w0.1: v1(42.99,5.38) 43.38,4.99 43.38,4.32 43.24,4.18 43.03,4.18 42.93,4.08 42.93,3.87 42.59,3.53 42.58,3.52 42.58,3.51 42.58,3.5 42.58,3.49 42.58,3.48 42.58,3.47 42.6,3.45 42.6,3.44 42.61,3.43 42.61,3.42 42.6,3.41 42.6,3.4 42.59,3.39 42.52,3.32 42.51,3.31 42.5,3.3 42.49,3.3 42.48,3.3 42.47,3.3 42.46,3.31 42.44,3.32 42.43,3.33 42.42,3.33 42.41,3.33 42.4,3.33 42.39,3.32 42.38,3.32 42.27,3.21 42.27,3.11 42.27,3.09 42.27,3.08 42.26,3.07 42.25,3.07 42.25,3.06 42.23,3.06 42.21,3.05 42.2,3.05 42.19,3.04 42.18,3.04 42.18,3.03 42.17,3.02 42.17,3 42.17,2.91 42.17,2.89 42.18,2.88 42.18,2.87 42.19,2.87 42.2,2.86 42.21,2.86 42.22,2.86 42.27,2.86 42.35,2.85 42.36,2.85 42.38,2.85 42.39,2.84 42.4,2.83 42.41,2.81 42.42,2.8 42.42,2.78 42.42,2.73 42.42,2.71 42.41,2.69 42.4,2.68 42.39,2.67 42.38,2.66 42.36,2.66 42.33,2.65 42.31,2.65 42.3,2.64 42.29,2.63 42.28,2.61 42.28,2.6 42.27,2.58 42.27,2.43 42.2,2.36 42.18,2.34 42.16,2.33 42.14,2.33 42.12,2.33 42.1,2.33 42.08,2.34 42.04,2.37 42.02,2.38 42,2.38 41.98,2.38 41.96,2.38 41.94,2.37 41.92,2.35 41.91,2.34 41.9,2.32 41.89,2.3 41.89,2.27 41.9,2.25 41.91,2.23 41.92,2.21 42.06,2.08 42.07,2.06 42.08,2.04 42.09,2.02 42.09,1.99 42.08,1.97 42.07,1.95 42.06,1.93 42.04,1.92 42.02,1.91 42,1.91 41.98,1.91 41.95,1.91 41.93,1.92 41.92,1.93 41.78,2.07 41.76,2.09 41.74,2.1 41.72,2.1 41.7,2.1 41.68,2.1 41.66,2.09 41.64,2.07 41.62,2.05 41.61,2.03 41.61,2.01 41.61,1.99 41.61,1.97 41.62,1.95 41.64,1.93 41.71,1.86 41.7,1.86 41.77,1.79 41.79,1.77 41.8,1.75 41.8,1.73 41.8,1.71 41.8,1.69 41.79,1.67 41.77,1.65 41.75,1.64 41.73,1.63 41.71,1.62 41.69,1.62 41.67,1.63 41.65,1.64 41.62,1.66 41.6,1.67 41.57,1.68 41.55,1.68 41.53,1.67 41.51,1.66 41.49,1.65 41.24,1.65 41.22,1.65 41.2,1.66 41.18,1.67 41.16,1.69 41.15,1.71 41.15,1.73 41.14,1.77 41.13,1.79 41.12,1.81 41.11,1.83 41.09,1.84 41.07,1.84 41.04,1.85 41.02,1.84 41,1.84 40.98,1.83 40.96,1.81 40.95,1.79 40.95,1.77 40.94,1.75 40.94,1.55 40.94,1.53 40.93,1.51 40.92,1.49 40.91,1.47 40.89,1.46 40.87,1.46 40.84,1.45 40.82,1.46 40.8,1.46 40.78,1.47 40.76,1.49 40.75,1.51 40.75,1.53 40.74,1.55 40.74,1.72 40.74,1.74 40.74,1.76 40.73,1.77 40.72,1.78 40.7,1.79 40.69,1.79 40.67,1.8 40.62,1.8 40.6,1.79 40.58,1.79 40.57,1.78 40.56,1.77 40.55,1.76 40.55,1.74 40.54,1.72 40.54,1.55 40.54,1.53 40.53,1.51 40.52,1.49 40.51,1.47 40.49,1.46 40.47,1.46 40.44,1.45 40.42,1.46 40.4,1.46 40.38,1.47 40.36,1.49 40.35,1.51 40.35,1.53 40.34,1.55 40.34,1.72 40.34,1.74 40.34,1.76 40.33,1.77 40.32,1.78 40.3,1.79 40.29,1.79 40.27,1.8 40.22,1.8 40.2,1.79 40.18,1.79 40.17,1.78 40.16,1.77 40.15,1.76 40.15,1.74 40.14,1.72 40.14,1.55 40.14,1.53 40.13,1.51 40.12,1.49 40.11,1.47 40.09,1.46 40.07,1.46 40.04,1.45 40.02,1.46 40,1.46 39.98,1.47 39.96,1.49 39.95,1.51 39.95,1.53 39.94,1.55 39.94,1.72 39.94,1.74 39.94,1.76 39.93,1.77 39.92,1.78 39.9,1.79 39.89,1.79 39.87,1.8 39.82,1.8 39.8,1.79 39.78,1.79 39.77,1.78 39.76,1.77 39.75,1.76 39.75,1.74 39.74,1.72 39.74,1.55 39.74,1.53 39.73,1.51 39.72,1.49 39.71,1.47 39.69,1.46 39.67,1.46 39.64,1.45 39.62,1.46 39.6,1.46 39.58,1.47 39.56,1.49 39.55,1.51 39.55,1.53 39.54,1.55 39.54,1.72 39.54,1.74 39.54,1.76 39.53,1.77 39.52,1.78 39.5,1.79 39.49,1.79 39.47,1.8 39.42,1.8 39.4,1.79 39.38,1.79 39.37,1.78 39.36,1.77 39.35,1.76 39.35,1.74 39.34,1.72 39.34,1.55 39.34,1.53 39.33,1.51 39.32,1.49 39.31,1.47 39.29,1.46 39.27,1.46 39.24,1.45 39.22,1.46 39.2,1.46 39.18,1.47 39.16,1.49 39.15,1.51 39.15,1.53 39.14,1.55 39.14,1.75 39.14,1.77 39.13,1.79 39.12,1.81 39.11,1.83 39.09,1.84 39.07,1.84 39.04,1.85 39.02,1.84 39,1.84 38.98,1.83 38.96,1.81 38.95,1.79 38.95,1.77 38.94,1.75 38.94,1.65 38.94,1.65 38.94,1.55 38.94,1.53 38.93,1.51 38.92,1.49 38.9,1.47 38.89,1.46 38.87,1.46 38.84,1.45 38.82,1.46 38.8,1.46 38.78,1.47 38.76,1.49 38.75,1.51 38.74,1.53 38.74,1.57 38.73,1.59 38.72,1.61 38.7,1.63 38.69,1.64 38.67,1.65 38.64,1.65 38.48,1.81 38.34,1.81 38.32,1.81 38.3,1.8 38.28,1.79 38.26,1.77 38.25,1.75 38.25,1.73 38.24,1.69 38.23,1.67 38.22,1.65 38.21,1.63 38.19,1.62 38.17,1.62 38.14,1.61 38.12,1.62 38.1,1.62 38.08,1.63 38.06,1.65 38.05,1.67 38.05,1.69 38.04,1.71 38.04,1.91 38.04,1.93 38.03,1.95 38.02,1.97 38.01,1.99 37.99,2 37.97,2 37.94,2.01 37.92,2 37.9,2 37.88,1.99 37.86,1.97 37.85,1.95 37.85,1.93 37.84,1.91 37.84,1.71 37.84,1.69 37.83,1.67 37.82,1.65 37.81,1.63 37.79,1.62 37.77,1.62 37.74,1.61 37.72,1.62 37.7,1.62 37.68,1.63 37.66,1.65 37.65,1.67 37.65,1.69 37.64,1.71 37.64,1.91 37.64,1.93 37.63,1.95 37.62,1.97 37.61,1.99 37.59,2 37.57,2 37.54,2.01 37.52,2 37.5,2 37.48,1.99 37.46,1.97 37.45,1.95 37.45,1.93 37.44,1.91 37.44,1.71 37.44,1.69 37.43,1.67 37.42,1.65 37.41,1.63 37.39,1.62 37.37,1.62 37.34,1.61 37.32,1.62 37.3,1.62 37.28,1.63 37.26,1.65 37.25,1.67 37.25,1.69 37.24,1.71 37.24,1.91 37.24,1.93 37.23,1.95 37.22,1.97 37.21,1.99 37.19,2 37.17,2 37.14,2.01 37.12,2 37.1,2 37.08,1.99 37.06,1.97 37.05,1.95 37.05,1.93 37.04,1.91 37.04,1.71 37.04,1.69 37.03,1.67 37.02,1.65 37.01,1.63 36.99,1.62 36.97,1.62 36.94,1.61 36.92,1.62 36.9,1.62 36.88,1.63 36.86,1.65 36.85,1.67 36.85,1.69 36.84,1.71 36.84,1.91 36.84,1.93 36.83,1.95 36.82,1.97 36.81,1.99 36.79,2 36.77,2 36.74,2.01 36.72,2 36.7,2 36.68,1.99 36.66,1.97 36.65,1.95 36.65,1.93 36.64,1.91 36.64,1.71 36.64,1.69 36.63,1.67 36.62,1.65 36.61,1.63 36.59,1.62 36.57,1.62 36.54,1.61 36.52,1.62 36.5,1.62 36.48,1.63 36.46,1.65 36.45,1.67 36.45,1.69 36.44,1.71 36.44,1.91 36.44,1.93 36.43,1.95 36.42,1.97 36.41,1.99 36.39,2 36.37,2 36.34,2.01 36.32,2 36.3,2 36.28,1.99 36.26,1.97 36.25,1.95 36.25,1.93 36.24,1.91 36.24,1.71 36.24,1.69 36.23,1.67 36.22,1.65 36.21,1.63 36.19,1.62 36.17,1.62 36.14,1.61 36.12,1.62 36.1,1.62 36.08,1.63 36.06,1.65 36.05,1.67 36.05,1.69 36.04,1.71 36.04,1.91 36.04,1.93 36.03,1.95 36.02,1.97 36.01,1.99 35.99,2 35.97,2 35.94,2.01 35.92,2 35.9,2 35.88,1.99 35.86,1.97 35.85,1.95 35.85,1.93 35.84,1.91 35.84,1.71 35.84,1.69 35.83,1.67 35.82,1.65 35.81,1.63 35.79,1.62 35.77,1.62 35.74,1.61 35.72,1.62 35.7,1.62 35.68,1.63 35.66,1.65 35.65,1.67 35.65,1.69 35.64,1.71 35.64,1.91 35.64,1.93 35.63,1.95 35.62,1.97 35.61,1.99 35.59,2 35.57,2 35.54,2.01 35.52,2 35.5,2 35.48,1.99 35.46,1.97 35.45,1.95 35.45,1.93 35.44,1.91 35.44,1.71 35.44,1.69 35.43,1.67 35.42,1.65 35.41,1.63 35.39,1.62 35.37,1.62 35.34,1.61 35.32,1.62 35.3,1.62 35.28,1.63 35.26,1.65 35.25,1.67 35.25,1.69 35.24,1.71 35.24,1.91 35.24,1.93 35.23,1.95 35.22,1.97 35.21,1.99 35.19,2 35.17,2 35.14,2.01 35.12,2 35.1,2 35.08,1.99 35.06,1.97 35.05,1.95 35.05,1.93 35.04,1.91 35.04,1.71 35.04,1.69 35.03,1.67 35.02,1.65 35.01,1.63 34.99,1.62 34.97,1.62 34.94,1.61 34.92,1.62 34.9,1.62 34.88,1.63 34.86,1.65 34.85,1.67 34.85,1.69 34.84,1.71 34.84,1.91 34.84,1.93 34.83,1.95 34.82,1.97 34.81,1.99 34.79,2 34.77,2 34.74,2.01 34.72,2 34.7,2 34.68,1.99 34.66,1.97 34.65,1.95 34.65,1.93 34.64,1.91 34.64,1.71 34.64,1.69 34.63,1.67 34.62,1.65 34.61,1.63 34.59,1.62 34.57,1.62 34.54,1.61 34.52,1.62 34.5,1.62 34.48,1.63 34.46,1.65 34.45,1.67 34.45,1.69 34.44,1.71 34.44,1.91 34.44,1.93 34.43,1.95 34.42,1.97 34.41,1.99 34.39,2 34.37,2 34.34,2.01 34.32,2 34.3,2 34.28,1.99 34.26,1.97 34.25,1.95 34.25,1.93 34.24,1.91 34.24,1.81 34.24,1.81 34.24,1.71 34.24,1.69 34.23,1.67 34.22,1.65 34.2,1.63 34.19,1.62 34.17,1.62 34.14,1.61 34.12,1.62 34.1,1.62 34.08,1.63 34.06,1.65 34.05,1.67 34.04,1.69 34.04,1.73 34.03,1.75 34.02,1.77 34,1.79 33.99,1.8 33.97,1.81 33.94,1.81 33.77,1.98 33.76,2 33.75,2.02 33.74,2.04 33.74,2.06 33.75,2.09 33.76,2.11 33.78,2.14 33.79,2.16 33.8,2.18 33.8,2.2 33.79,2.23 33.78,2.24 33.77,2.26 33.75,2.28 33.73,2.29 33.71,2.29 33.69,2.29 33.67,2.29 33.65,2.28 33.63,2.26 33.49,2.13 33.47,2.11 33.45,2.1 33.43,2.1 33.41,2.1 33.39,2.1 33.37,2.11 33.35,2.13 33.33,2.15 33.32,2.16 33.32,2.19 33.32,2.21 33.32,2.23 33.33,2.25 33.35,2.27 33.49,2.41 33.5,2.42 33.51,2.44 33.51,2.46 33.51,2.49 33.51,2.51 33.5,2.53 33.48,2.55 33.47,2.56 33.45,2.57 33.43,2.58 33.4,2.58 33.38,2.57 33.36,2.56 33.35,2.55 33.28,2.48 33.27,2.48 33.2,2.41 33.19,2.4 33.17,2.39 33.15,2.38 33.12,2.38 33.1,2.39 33.08,2.4 33.06,2.41 33.05,2.43 33.04,2.45 33.04,2.47 33.04,2.49 33.04,2.51 33.05,2.53 33.08,2.57 33.09,2.59 33.09,2.61 33.09,2.63 33.09,2.65 33.08,2.67 33.06,2.69 33.06,2.93 33.29,3.16 v1(33.29,3.38)